# Altium PCB 定位手表.PcbDoc
Units mil, origin at the board's own origin, x right, y up, seen from the top; angles counter-clockwise.
Board outline 1220.47 x 1496.06 mil, 4 copper layers (Top Layer, GND, Signal, Bottom Layer), stack 23.756 mil thick; 50 components, 54 nets, 278 pads, 169 vias.
Unrouted connection lines stored in the file: 46.
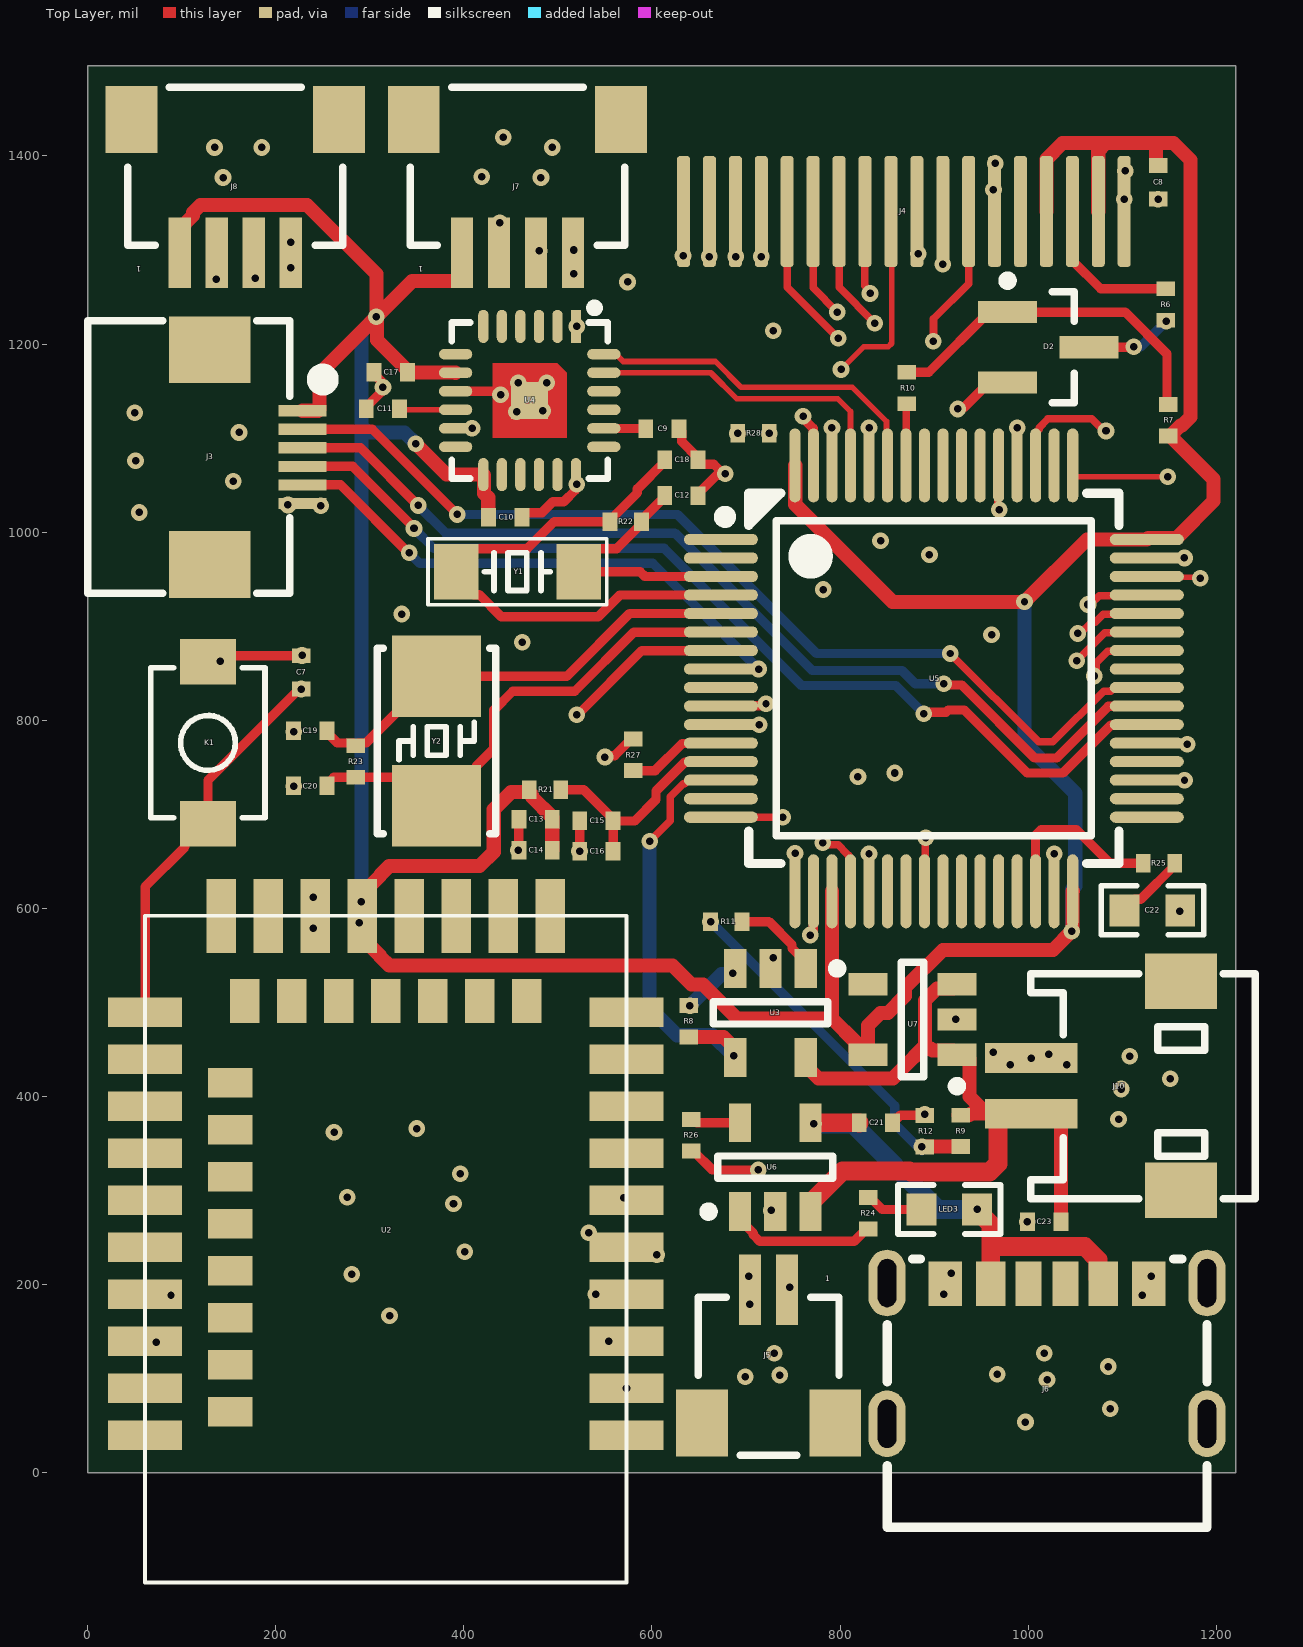
[diagram p0: Top Layer view]
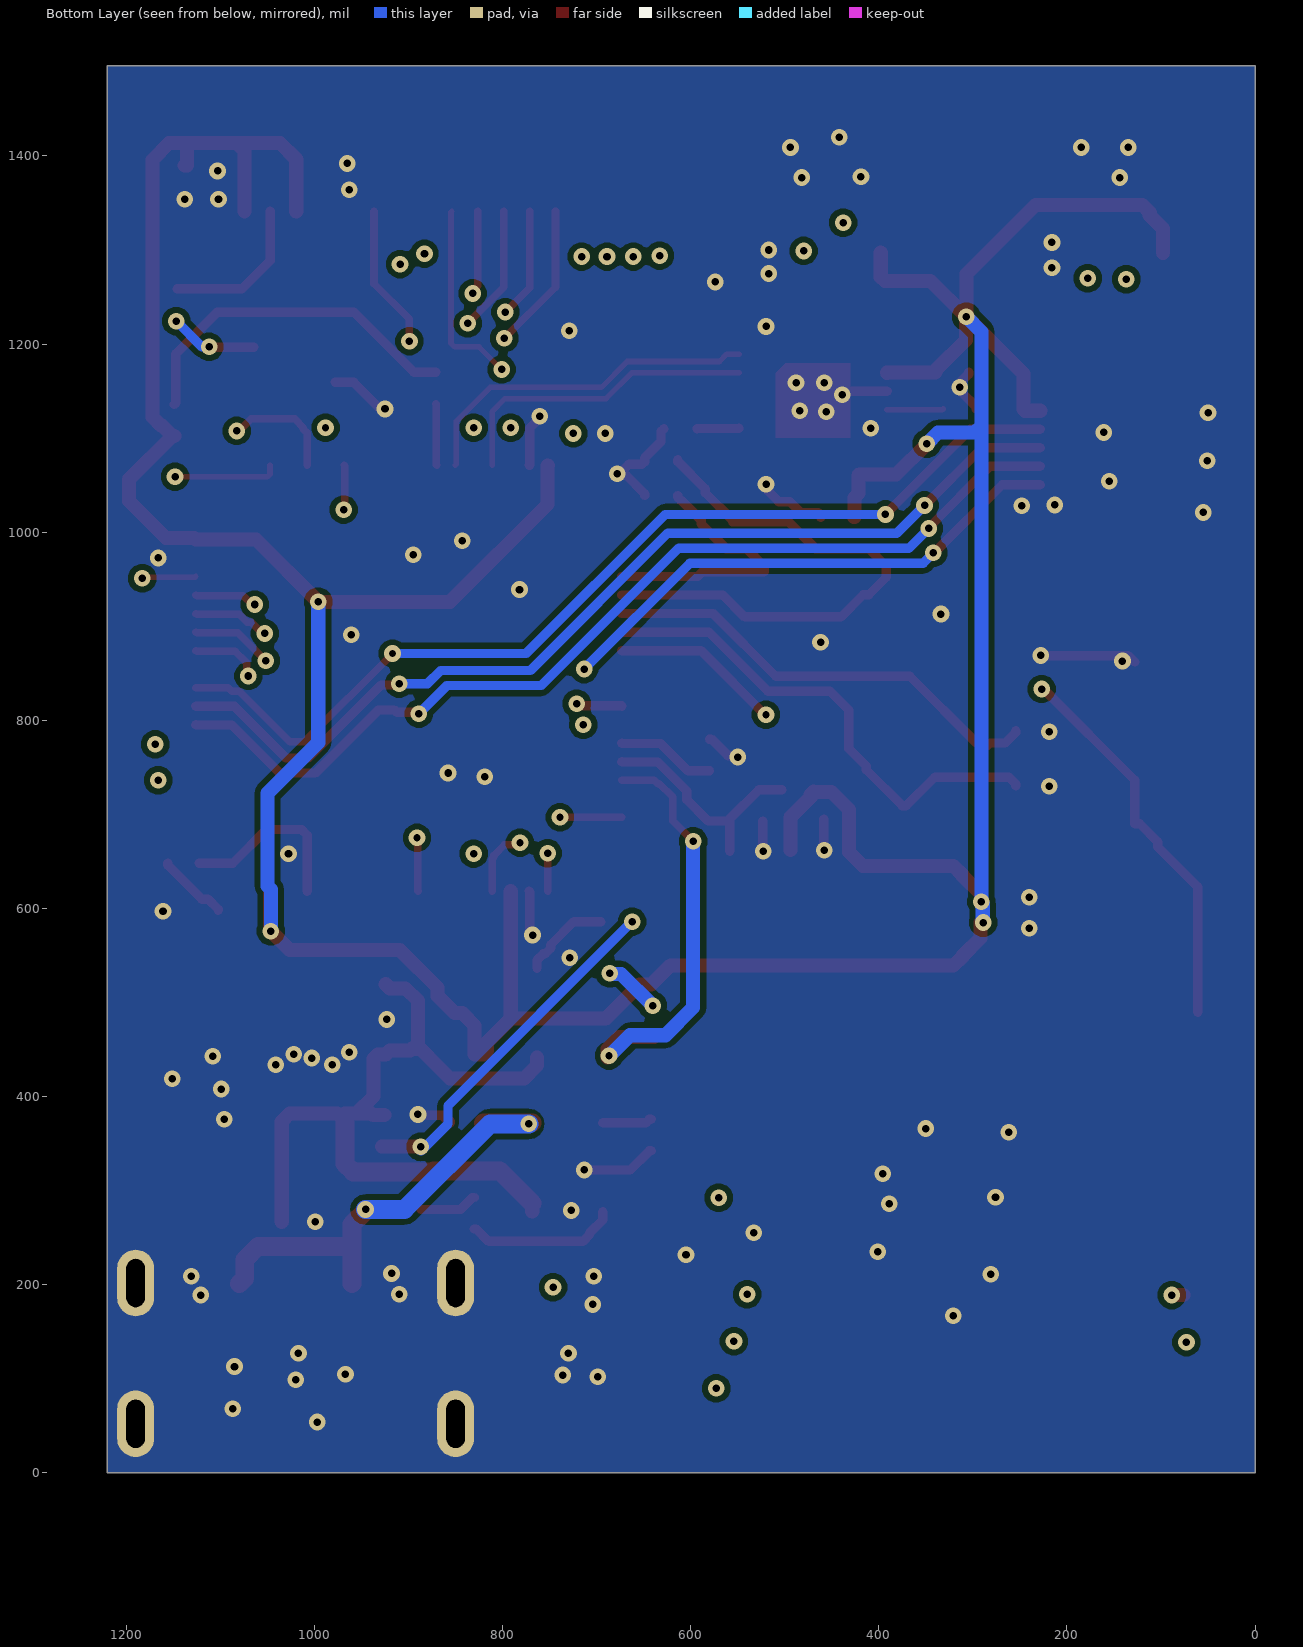
[diagram p1: Bottom Layer view, seen from below]
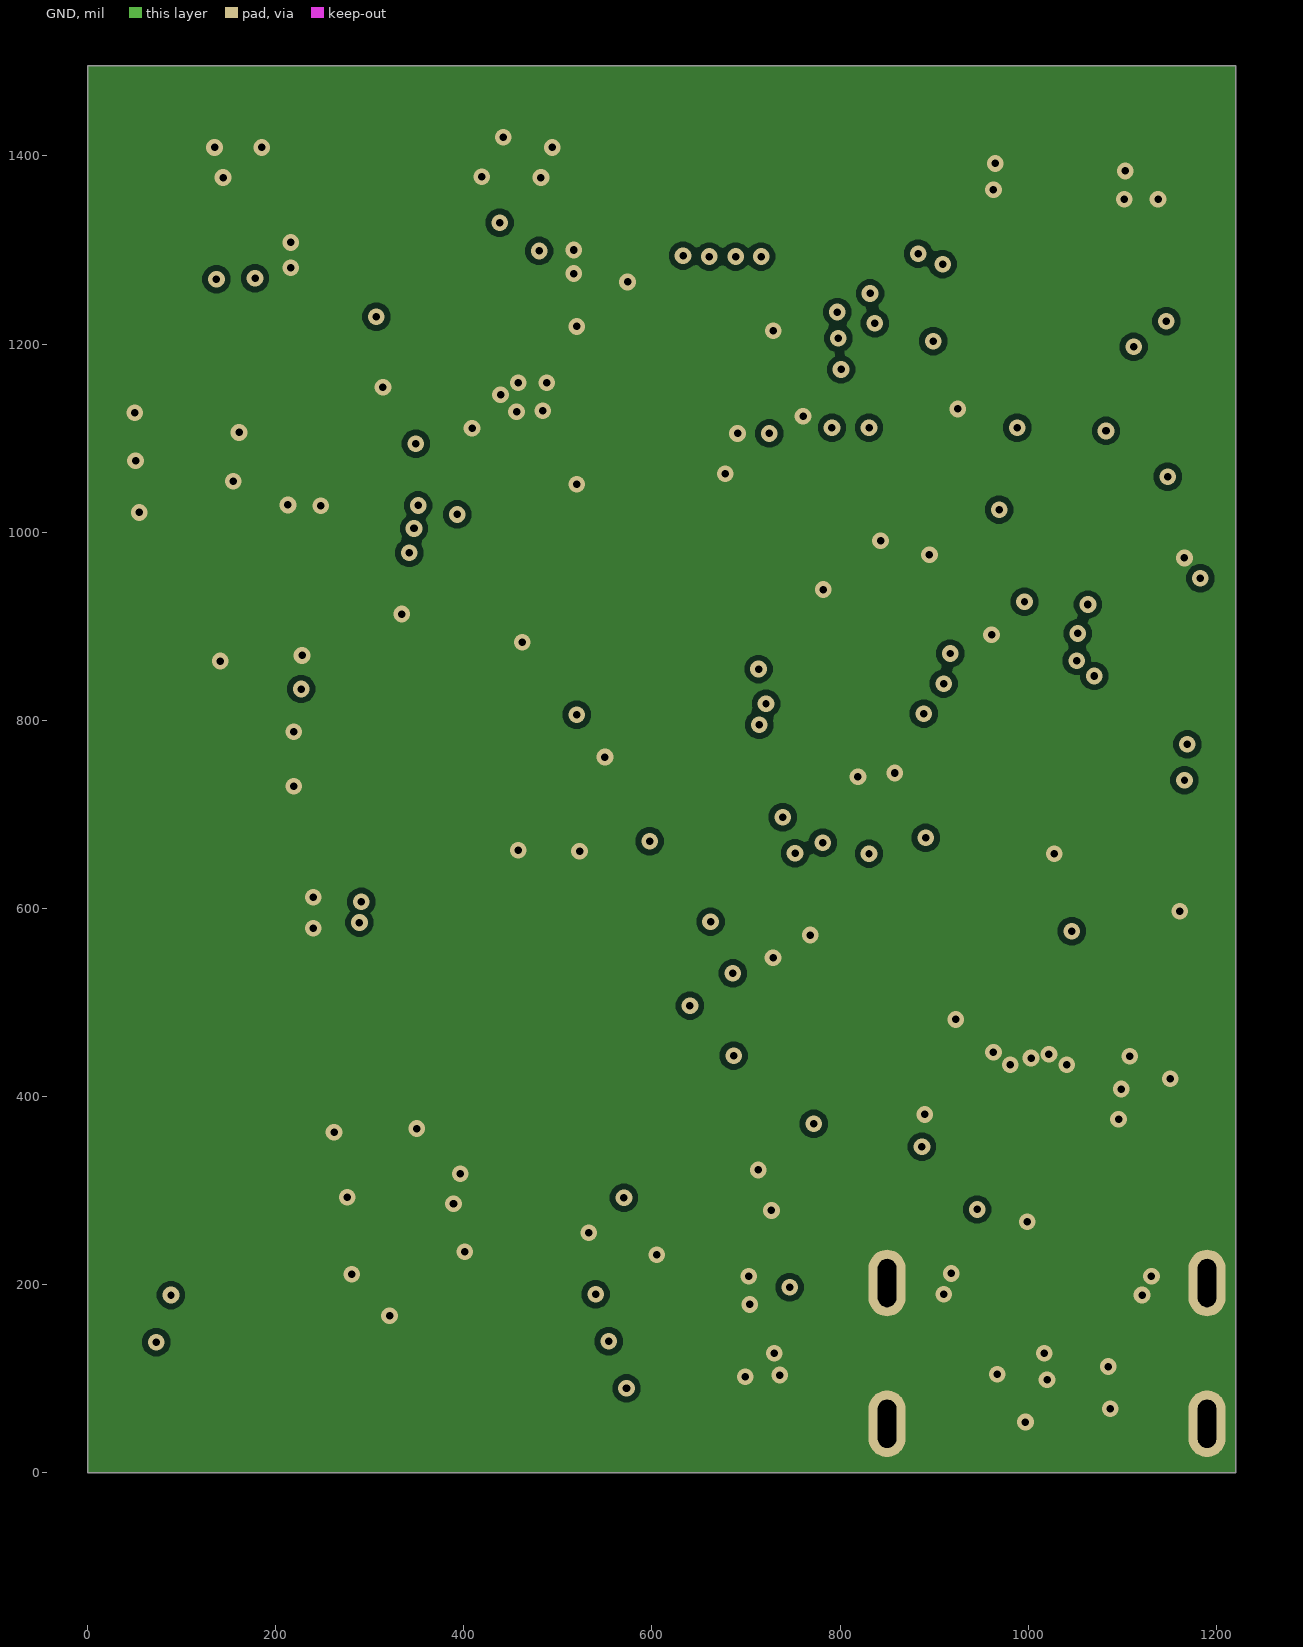
[diagram p2: GND]
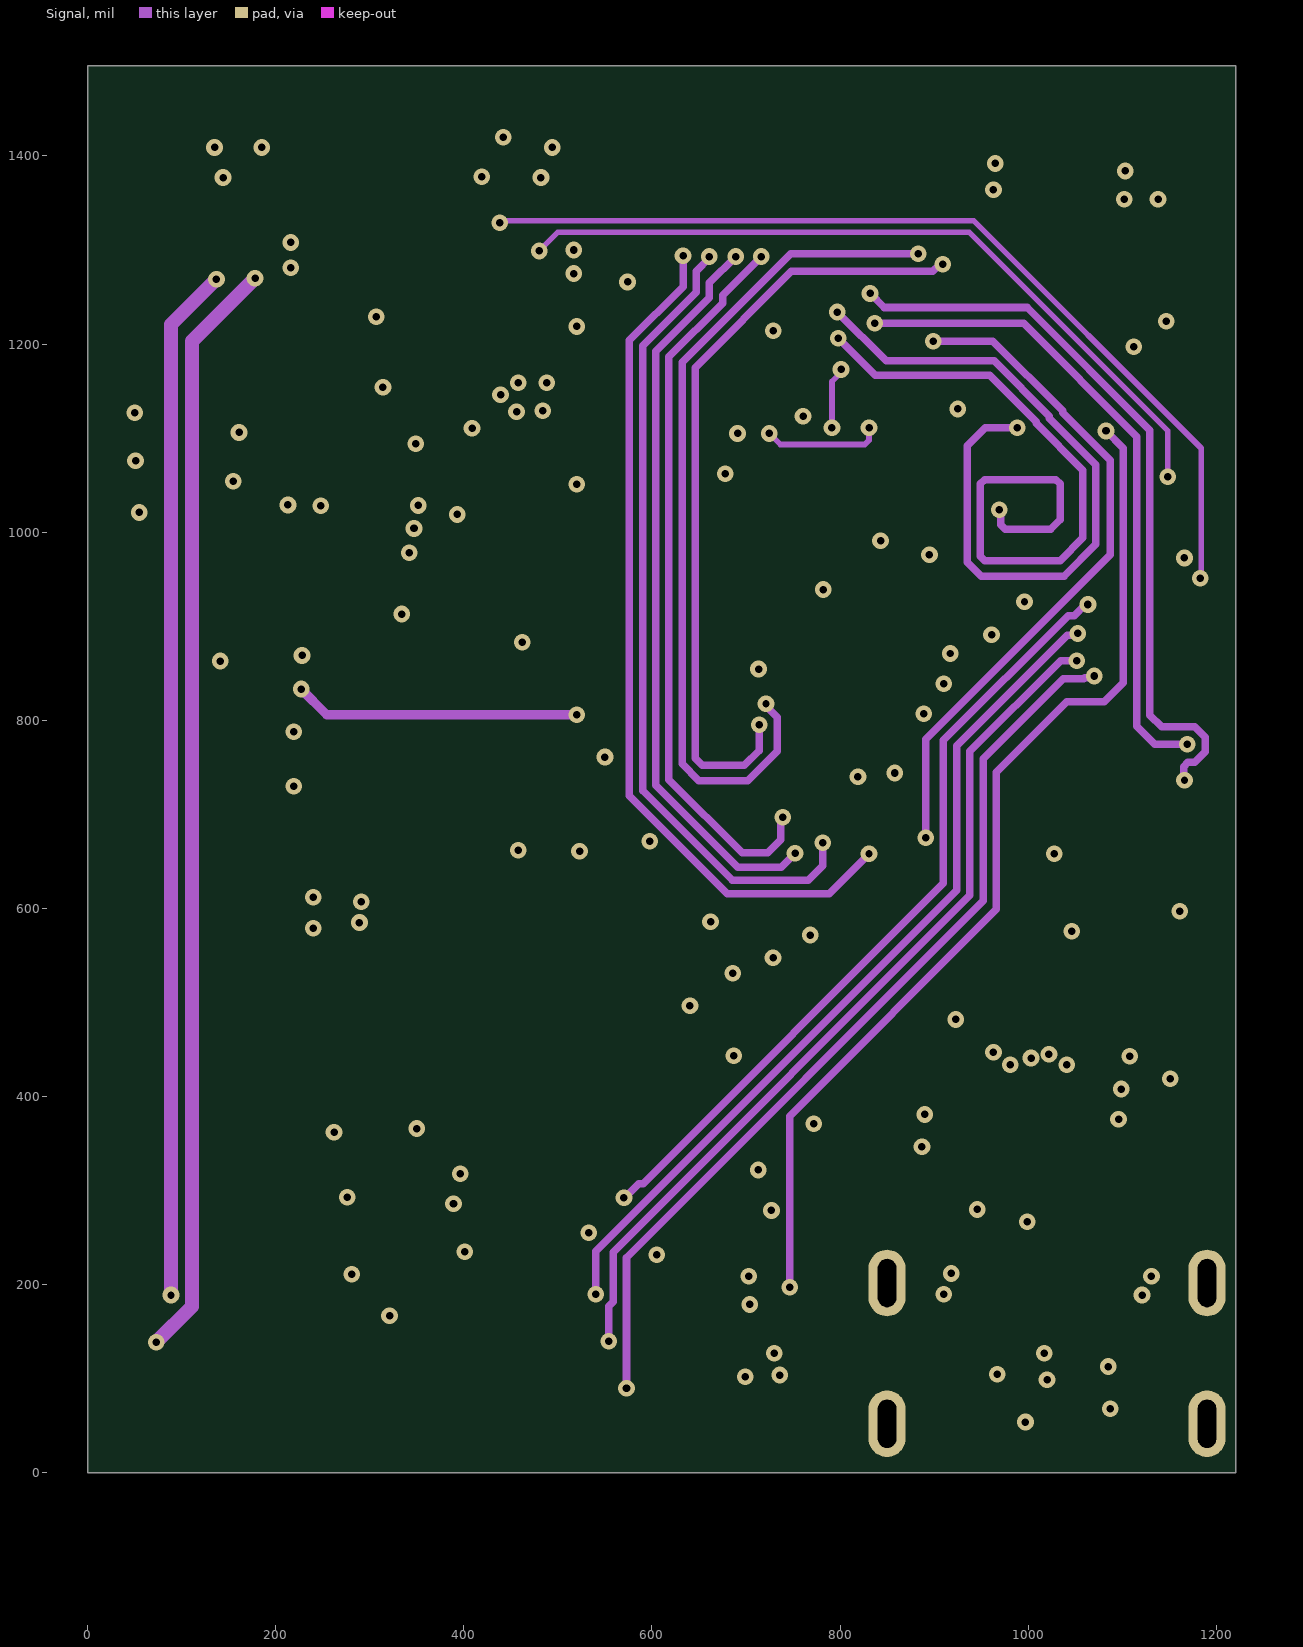
[diagram p3: Signal]
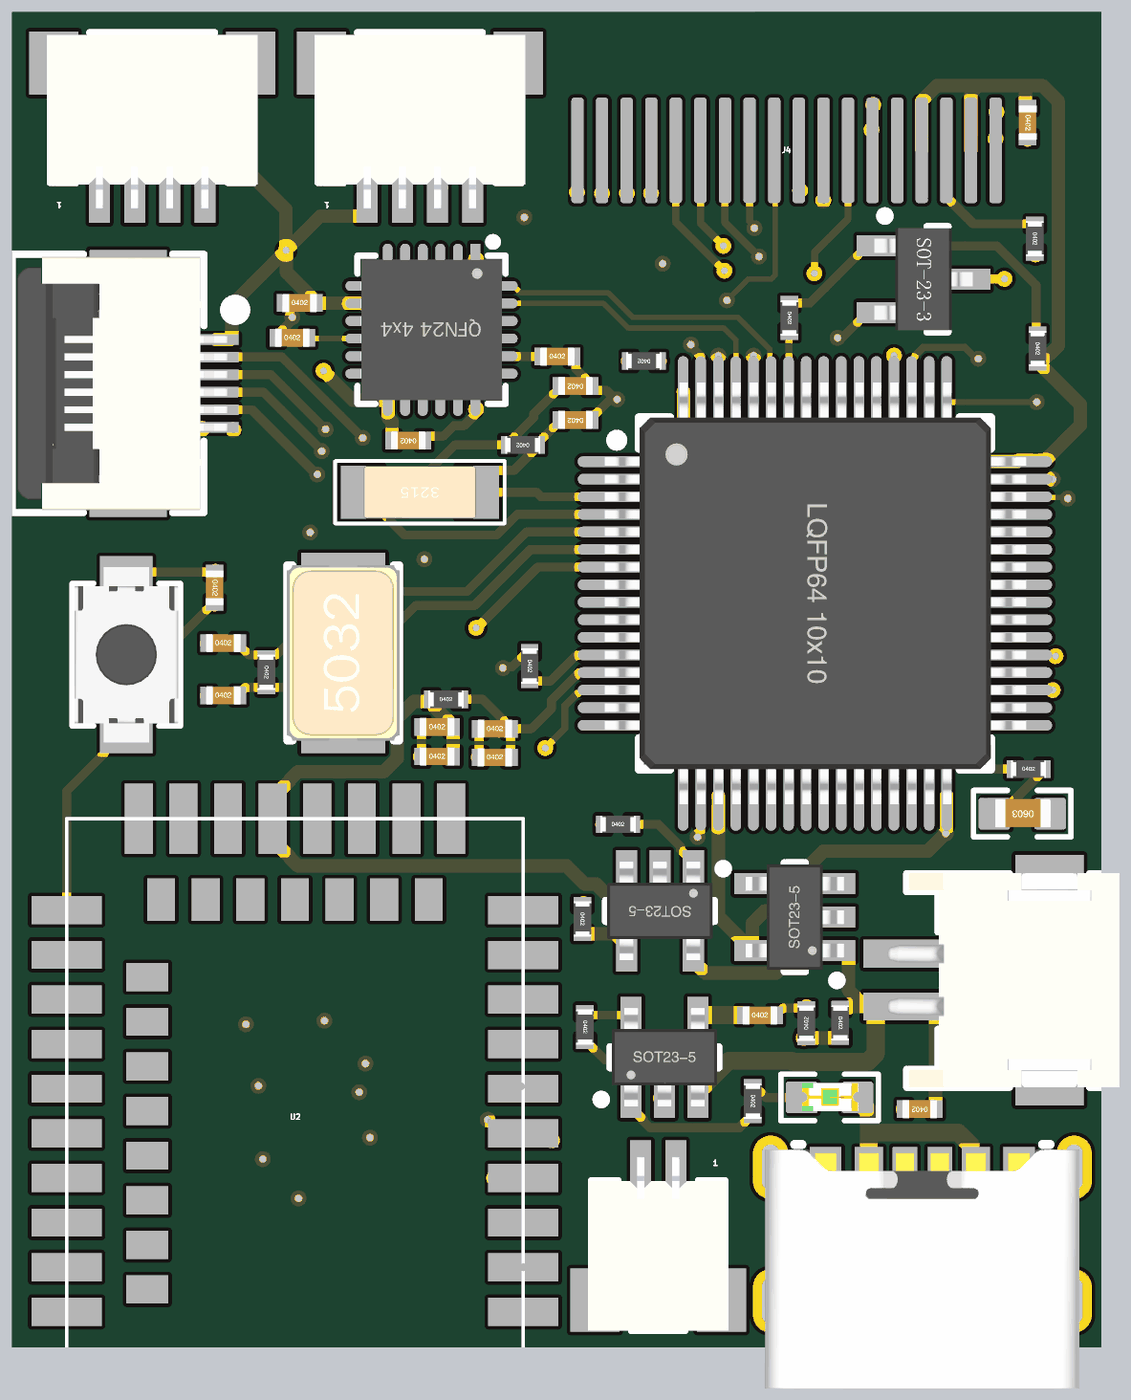
[diagram p4: 3D render of the assembled board from above, using the file's embedded part models]

## Layer stack, top to bottom
Top Solder: solder mask 0.4, Solder Resist, Dk 3.5
Top Layer: signal copper 1.4
Dielectric 2: prepreg 2.8, PP-006, Dk 4.1
GND: signal copper 1.378
Dielectric 1: dielectric 12.6, FR-4, Dk 4.8
Signal: signal copper 1.378
Dielectric 3: prepreg 2.8, PP-006, Dk 4.1
Bottom Layer: signal copper 1.4
Bottom Solder: solder mask 0.4, Solder Resist, Dk 3.5

## Board outline
-0.01,0 1220.46,0 1220.46,1496.06 -0.01,1496.06 0,1495.95

## Design rules (kind name [scope] priority, off if disabled: settings)
Clearance [All] p1: gap=6 ignorepadtopadclearanceinfootprint=FALSE
MinimumSolderMaskSliver [All] p1: minsoldermaskwidth=4
PlaneConnect [All] p1: planeconnectstyle=Direct reliefexpansion=20 reliefentries=4 reliefconductorwidth=10 reliefairgap=10
PolygonConnect [All] p1: connectstyle=Direct reliefconductorwidth=10 reliefentries=4 polygonreliefangle="90 Angle" airgapwidth=10
RoutingVias [All] p1: holewidth=7.87 width=17.72 viastyle="Through Hole" minholewidth=7.87 minwidth=17.72 maxholewidth=39.37 maxwidth=39.37
SolderMaskExpansion [All] p1: expansion=4 istentingtop=FALSE
Width [All] p1: maxlimit=50 minlimit=6 preferedwidth=10
28 further rules are at their usual default settings.

## Components (designator, comment, footprint, x,y, rotation, side; value= is the part's Value field where it differs from the comment)
C7 "0.1uF" 0402-CAP 227,851 r270 top
C8 "0.1uF" 0402-CAP 1138,1372 r270 top
C9 "2.2nF" 0402-CAP 611,1110 r0 top
C10 "0.1uF" 0402-CAP 444,1016 r180 top
C11 "0.1uF" 0402-CAP 314,1131 r0 top
C12 "12.5pF" 0402-CAP 631.28,1039 r180 top
C13 "0.1uF" 0402-CAP 476.29,695 r0 top
C14 "0.1uF" 0402-CAP 476.29,662 r0 top
C15 "0.1uF" 0402-CAP 541,693 r0 top
C16 "0.1uF" 0402-CAP 541,661 r0 top
C17 "0.1uF" 0402-CAP 322.29,1170 r0 top
C18 "12.5pF" 0402-CAP 631.28,1077 r180 top
C19 "20pF" 0402-CAP 236.72,789 r0 top
C20 "20pF" 0402-CAP 236.72,730.39 r0 top
C21 "1uF" 0402-CAP 838,372 r0 top
C22 "4.7uF" 0603-CAP 1132,598 r180 top
C23 "1uF" 0402-CAP 1017,267 r180 top
D2 "三极管" SOT23-3M 1021.31,1196.6 r0 top
J3 "FPC-6P" FPC0.5-WT-6P 130,1079.89 r270 top
J4 "LCD" LCD 867.78,1340.97 r0 top
J5 "SH1.0*2" SH1.0-WT-2P 724,123.89 r0 top
J6 "Type-c接口" type-c 1020,127 r0 top
J7 "SH1.0*4" SH1.0-WT-4P 457,1367.89 r180 top
J8 "SH1.0*4" SH1.0-WT-4P 157,1367.89 r180 top
J10 "ZH1.5*2" ZH1.5-WS-2P 1162.45,411.47 r90 top
K1 "微动开关" 轻触开关 128,776.02 r90 top
LED3 "发光二极管" 0603-LED 916,280 r180 top
R6 "10R" 0402-RES 1146,1242 r270 top
R7 "10K" 0402-RES 1149,1119 r270 top
R8 "10k" 0402-RES 639,480 r270 top
R9 "50K" 0402-RES 928.02,363.52 r270 top
R10 "1K" 0402-RES 871,1153.27 r270 top
R11 "0Ω" 0402-RES 679,586 r0 top
R12 "50K" 0402-RES 890,363.27 r90 top
R21 "47R" 0402-RES 486.27,726 r0 top
R22 "1M" 0402-RES 572.27,1011 r180 top
R23 "1M" 0402-RES 285,756.27 r270 top
R24 "10K" 0402-RES 830,276 r270 top
R25 "0R" 0402-RES 1139,648 r0 top
R26 "1.65K" 0402-RES 642,359 r270 top
R27 "0R" 0402-RES 580,763.27 r270 top
R28 "1K" 0402-RES 708,1105 r180 top
U2 "NRF52833" nrf52833 317,316 r0 top
U3 "LMV321" SOT23-5 726,489 r270 top
U4 "MPU6050" MPU6050 470,1140 r180 top
U5 "STM32F412RET6" STM32F412RET6 899.63,844.64 r270 top
U6 "LTH7-4054" SOT23-5 731,325 r90 top
U7 "RT9013" SOT23-5 877,482 r180 top
Y1 "32.768K" 晶振32.768K 457,958 r180 top
Y2 "晶振8M" 晶振8M 371.06,778 r90 top

## Footprints (in the part's own frame and the unit in brackets; to place one, negate y for a bottom-side part, rotate by r counter-clockwise, add the part's x,y. Pads: shape width x height; smd on the part's side, far side on the other; paste and mask are expansions set on the pad)
0402-CAP [mm] "贴片MLCC电容-无丝印             联系卖家 免费查找封装"
  rect 0.4x0.5 smd: 1(-0.45,0) 2(0.45,0)
  body extent -0.5,-0.26 0.5,0.26, height 0.54
0402-RES [mm] "1/16W贴片电阻-无丝印"
  rect 0.4x0.5 smd: 1(-0.425,0) 2(0.425,0)
  body extent -0.5,-0.25 0.5,0.25, height 0.3
0603-CAP [mil]
  rect 31.75x34.02 smd: 1(-29.65,0) 2(29.65,0)
  silkscreen extent -55,-26 55,26, body extent -32,-17 31,16, height 33
0603-LED [mil]
  rect 31.75x34.02 smd: 1(-29.66,0) 2(29.66,0)
  silkscreen extent -55,-26 55,26, body extent -32,-16 31,15, height 18
FPC0.5-WT-6P [mm] "长：7.2mm，宽：5.2mm，高：2mm               黄晶宝石"
  rect 1.8x2.2 smd: 0(-2.9,0) 0(2.9,0)
  rect 0.3x1.3 smd: 1(-1.25,2.497) 2(-0.75,2.497) 3(-0.25,2.497) 4(0.25,2.497) 5(0.75,2.497) 6(1.25,2.497)
  silkscreen extent -3.67,-3.3 3.67,3.23, body extent -3.6,-3.15 3.6,2.85, height 2
LCD [mm]
  rrect50% 0.35x3 smd: 1(-5.949,-0.001) 2(-5.249,-0.001) 3(-4.549,-0.001) 4(-3.849,-0.001) 5(-3.151,0.001) 6(-2.451,0.001) 7(-1.751,0.001) 8(-1.051,0.001) 9(-0.349,-0.001) 10(0.351,-0.001) 11(1.051,-0.001) 12(1.751,-0.001) 13(2.449,0.001) 14(3.149,0.001) 15(3.849,0.001) 16(4.549,0.001) 17(5.249,0.001) 18(5.949,0.001)
MPU6050 [mm] "24脚，长x宽x高：4x4x1mm，脚距：0.5mm"
  rect 0.28x0.9 smd: 1(-1.25,-2)
  oval 0.28x0.9 smd: 2(-0.75,-2) 3(-0.25,-2) 4(0.25,-2) 5(0.75,-2) 6(1.25,-2) 13(1.25,2) 14(0.75,2) 15(0.25,2) 16(-0.25,2) 17(-0.75,2) 18(-1.25,2)
  oval 0.9x0.28 smd: 7(2,-1.25) 8(2,-0.75) 9(2,-0.25) 10(2,0.25) 11(2,0.75) 12(2,1.25) 19(-2,1.25) 20(-2,0.75) 21(-2,0.25) 22(-2,-0.25) 23(-2,-0.75) 24(-2,-1.25)
  rect 1x1 smd: 25(0,0)
  Top Layer region: -1,1 1,1 1,-1 -0.75,-1 -1,-0.75
  silkscreen extent -2.11,-2.6 2.11,2.11, body extent -2.01,-2.01 2.01,2.01, height 0.95
nrf52833 [mm]
  rect 2x0.8 smd: 1(6.5,-7.015) 2(6.5,-5.745) 3(6.5,-4.475) 4(6.5,-3.205) 5(6.5,-1.935) 6(6.5,-0.665) 7(6.5,0.605) 8(6.5,1.875) 9(6.5,3.142) 10(6.5,4.415) 26(-6.5,4.415) 27(-6.5,3.145) 29(-6.5,1.875) 31(-6.5,0.605) 33(-6.5,-0.665) 35(-6.5,-1.935) 37(-6.5,-3.205) 39(-6.5,-4.475) 41(-6.5,-5.742) 43(-6.5,-7.015)
  rect 0.8x2 smd: 11(4.445,7.015) 13(3.175,7.015) 15(1.905,7.015) 17(0.635,7.015) 19(-0.635,7.015) 21(-1.905,7.015) 23(-3.175,7.015) 25(-4.445,7.015)
  rect 0.8x1.2 smd: 12(3.81,4.715) 14(2.54,4.715) 16(1.27,4.715) 18(0,4.715) 20(-1.27,4.715) 22(-2.54,4.715) 24(-3.81,4.715)
  rect 1.2x0.8 smd: 28(-4.2,2.51) 30(-4.2,1.24) 32(-4.2,-0.03) 34(-4.2,-1.3) 36(-4.2,-2.57) 38(-4.2,-3.84) 40(-4.2,-5.11) 42(-4.2,-6.375)
  silkscreen extent -6.5,-10.98 6.5,7.02
SH1.0-WT-2P [mm] "SH1.0连接器-卧贴-2P                联系卖家 免费查找封装"
  rect 1.4x1.8 smd: 0(-1.8,-1.8) 0(1.8,-1.8)
  rect 0.6x1.9 smd: 1(0.5,1.8) 2(-0.5,1.8)
  silkscreen extent -1.9,-2.67 1.9,1.6, body extent -2,-2.67 2,2.28, height 2.9
SH1.0-WT-4P [mm] "SH1.0连接器-卧贴-4P"
  rect 1.4x1.8 smd: 0(-2.8,-1.8) 0(2.8,-1.8)
  rect 0.6x1.9 smd: 1(1.5,1.8) 2(0.5,1.8) 3(-0.5,1.8) 4(-1.5,1.8)
  silkscreen extent -2.9,-2.67 2.9,1.6, body extent -3,-2.6 3,2.35, height 2.9
SOT23-3M [mm] "SOT23, 3-Leads, Body 2.9x1.3mm, Pitch 0.95mm, Lead Span 2.4mm, IPC Low Density"
  rect 1.6x0.6 smd: 1(-1.1,0.95) 2(-1.1,-0.95) 3(1.1,0)
  silkscreen extent -1.22,-1.5 0.7,1.92, body extent -1.4,-1.45 1.4,1.45, height 1.2
SOT23-5 [mm] "SOT23, 5-Leads, Body 2.9x1.6mm, Pitch 0.95mm, IPC Medium Density                联系卖家 免费查找封装"
  rect 1.05x0.6 smd: 1(-1.2,0.95) 2(-1.2,0) 3(-1.2,-0.95) 4(1.2,-0.95) 5(1.2,0.95)
  silkscreen extent -1.32,-1.55 0.3,1.93, body extent -1.4,-1.5 1.4,1.5, height 1.15
STM32F412RET6 [mm]
  oval 0.3x2 smd: 1(-3.75,-5.75) 2(-3.25,-5.75) 3(-2.75,-5.75) 4(-2.25,-5.75) 5(-1.75,-5.75) 6(-1.25,-5.75) 7(-0.75,-5.75) 8(-0.25,-5.75) 9(0.25,-5.75) 10(0.75,-5.75) 11(1.25,-5.75) 12(1.75,-5.75) 13(2.25,-5.75) 14(2.75,-5.75) 15(3.25,-5.75) 16(3.75,-5.75) 33(3.75,5.75) 34(3.25,5.75) 35(2.75,5.75) 36(2.25,5.75) 37(1.75,5.75) 38(1.25,5.75) 39(0.75,5.75) 40(0.25,5.75) 41(-0.25,5.75) 42(-0.75,5.75) 43(-1.25,5.75) 44(-1.75,5.75) 45(-2.25,5.75) 46(-2.75,5.75) 47(-3.25,5.75) 48(-3.75,5.75)
  oval 2x0.3 smd: 17(5.75,-3.75) 18(5.75,-3.25) 19(5.75,-2.75) 20(5.75,-2.25) 21(5.75,-1.75) 22(5.75,-1.25) 23(5.75,-0.75) 24(5.75,-0.25) 25(5.75,0.25) 26(5.75,0.75) 27(5.75,1.25) 28(5.75,1.75) 29(5.75,2.25) 30(5.75,2.75) 31(5.75,3.25) 32(5.75,3.75) 49(-5.75,3.75) 50(-5.75,3.25) 51(-5.75,2.75) 52(-5.75,2.25) 53(-5.75,1.75) 54(-5.75,1.25) 55(-5.75,0.75) 56(-5.75,0.25) 57(-5.75,-0.25) 58(-5.75,-0.75) 59(-5.75,-1.25) 60(-5.75,-1.75) 61(-5.75,-2.25) 62(-5.75,-2.75) 63(-5.75,-3.25) 64(-5.75,-3.75)
  silkscreen extent -5,-5.79 5,5, body extent -6,-5.99 6,6.02, height 1.45
type-c [mm]
  oval 1x1.8 hole 0.5 slot 1.3 at 90 deg: 1(-4.32,1.9) 2(-4.32,-1.9) 3(4.32,-1.9) 4(4.32,1.9)
  rect 0.7x1.2 smd: 5(-0.5,1.88) 8(0.5,1.88)
  rect 0.8x1.2 smd: 6(-1.52,1.88) 9(1.52,1.88)
  rect 0.9x1.2 smd: 7(-2.75,1.88) 10(2.75,1.88)
  silkscreen extent -4.32,-4.69 4.32,2.55, body extent -4.47,-4.4 4.47,2.4, height 3.22
ZH1.5-WS-2P [mm] "长：6.1mm，宽：2.5mm，高：3.7mm淘宝ID:黄晶宝石"
  rect 1.5x1.95 smd: 0(-2.818,0) 0(2.818,0)
  rect 0.8x2.5 smd: 1(-0.75,4.05) 2(0.75,4.05)
  silkscreen extent -3.05,-2 3.03,4.06, body extent -3.05,-2 3.05,4.6, height 3.75
晶振8M [mm] "5mm*3.2mm*0.8mm(长*宽*高)"
  rect 2.2x2.4 smd: 1(-1.75,0) 2(1.75,0)
  silkscreen extent -2.5,-1.6 2.5,1.6, body extent -2.5,-1.6 2.5,1.6, height 0.86
晶振32.768K [mm] "3.2*1.5*0.6mm(长宽高)"
  rect 1.2x1.5 smd: 1(-1.65,0) 2(1.65,0)
  silkscreen extent -2.41,-0.89 2.41,0.89, body extent -1.6,-0.75 1.6,0.75, height 0.61
轻触开关 [mm]
  rect 1.23x1.5 smd: 1(-2.185,0) 2(2.185,0)
  silkscreen extent -2.03,-1.54 2.03,1.54, body extent -2.5,-1.48 2.5,1.47, height 2.01

## Part data
C7 C8 C9 C10 C11 C12 C17 C18 C19 C20 C21 C22 C23: library part 电容, "无极性贴片电容"
C13 C14 C15 C16: library part cap
J6: "接口"
R6 R7 R8 R9 R10 R11 R12 R22 R23 R24 R25 R26 R27 R28: library part 电阻, "电阻"
R21: library part RES

## Via types
v1: diameter 17.72, hole 8, Top Layer to Bottom Layer, 137 vias
v2: diameter 17.72, hole 7.87, Top Layer to Bottom Layer, 32 vias

## Nets (pads, with @x,y where several pads share a name; then routed paths per layer and width w, separated by ;. In a path a pad name is that pad's centre, name@x,y a point inside that pad or via, vN(x,y) a via of type N, cw(c..) or ccw(c..) an arc to the next point about the centre after c; other vN are vias at no path point)
3.3V: C8.1 C10.2 C13.2 C14.2 C17.2 J3.1 J4.15 J4.17 J7.1 J8.1 R7.2 R21.1 U2.19 U4.8 U4.13 U5.19 U5.32 U5.48 U5.64 U7.5 | length 4645.2
  Top Layer w15: J8.1 97.94,1322.61 112,1336.67 112,1340.02 119.91,1347.93 233.45,1347.93 307,1274.38 v2(307,1229) ; J3.1 244.8,1129.1 246.4,1130.69 246.4,1168.4 v2(307,1229) ; U2.19@292,585 292,568.56 310.85,549.7 310.85,549.12 320.66,539.31 621.69,539.31 641.91,519.09 654.18,519.09 690.27,483 791.36,483 ; U2.19@292,615.8 310.85,634.66 310.85,635.25 320.66,645.05 416.65,645.05 431.81,660.2 431.81,705.05 450.42,723.66 469.16,723.66 469.54,724.03 472.41,721.15 472.41,718.56 494,696.97 C13.2 C14.2 ; v2(349,1094) 381.7,1061.26 U4.13 421.46,1060.59 421.46,1041.18 425.91,1036.73 425.91,1016.38 C10.2 ; U4.8 391.02,1169.76 340.24,1169.76 C17.2 340,1171.97 307.52,1204.45 307.52,1228.48 v2(307,1229) ; J7.1 397.94,1271.43 393.63,1267.12 345.12,1267.12 v2(307,1229) ; U5.64 752.27,1070.73 752.27,1029.51 855.78,926 v2(996,926) 1062.28,992.28 U5.48 1127.59,993.87 1157.87,993.87 1197,1033 1197,1056.24 R7.2@1150.97,1102.27 ; U5.19 791.36,483 ; J4.15 1019.32,1396.46 1036.42,1413.56 1082.56,1413.56 ; v1(1046.31,575.85) 1046.07,575.85 v1@1046,575.78 ; U5.32 1046.98,617.98 1046.98,577.26 1046,576.27 v1@1046,575.78 ; J4.17 1074.44,1405.44 1082.56,1413.56 ; C8.1 1136.03,1389.72 1135.66,1390.09 1135.66,1410.9 1133,1413.56 ; R7.2 R7.2@1150.97,1102.27 ; 791.36,483 816.59,457.77 816.59,448.91 820.9,444.6 U7.5 829.76,475.76 842.88,488.88 850.8,488.88 869.07,507.15 869.07,515.8 909.27,556 1026.22,556 v1@1046,575.78 ; 1082.56,1413.56 1133,1413.56 ; 1133,1413.56 1154.44,1413.56 1172.34,1395.66 1172.34,1122.27 1163.32,1113.25 1161.95,1113.25 R7.2@1150.97,1102.27
  Bottom Layer w15: v1(289,585) 289.52,585.52 289.52,604.78 291,606.26 v1(291,607) 291,1113 ; v2(307,1229) 291,1213 291,1113 ; v2(349,1094) 337,1106 298,1106 291,1113 ; v2(996,926) 996,776.45 1049.94,722.51 1049.94,623.91 1046.31,620.28 v1(1046.31,575.85)
5V: C21.1 J6.6 J6.9 LED3.1 U6.4 | length 496.6
  Top Layer w20: U6.4 820.04,372.24 C21.1 ; v1(945.66,280) 945.66,278.87 960.16,264.37 960.16,242 ; J6.6 960.16,242 ; J6.9 1074.09,206.76 1074.09,226.63 1060.09,240.64 961.52,240.64 960.16,242
  Bottom Layer w20: v1(772,371) 813.33,371 904.33,280 v1(945.66,280)
BAT_V: R8.2 U3.4 U5.14 | length 471.1
  Top Layer w8: v2(597.47,671.47) 619.29,693.29 619.29,718.68 633.2,732.6 634.98,732.6 638.76,736.37 U5.14
  Top Layer w15: R8.2 675.94,463.27 688.6,450.61 U3.4 v2(686.82,443.53)
  Bottom Layer w15: v2(597.47,671.47) 597.47,494.59 626.79,465.27 664.35,465.27 686.08,443.53 v2(686.82,443.53)
FSMC_D0: J4.8 U5.35 | length 878.4
  Top Layer w8: J4.8 826.41,1261.89 831.83,1256.46 v1(831.83,1253.83)
  Signal w8: v1(831.83,1253.83) 846.81,1238.86 998.94,1238.86 1129.35,1108.45 1129.35,805.59 1141.69,793.25 1177.02,793.25 1188.07,782.21 1188.07,766.58 1177.02,755.54 1169.78,755.54 1165.09,750.85 1165.09,737.35 v2(1166.07,736.38)
FSMC_D1: J4.7 U5.37 | length 832.8
  Top Layer w8: J4.7 798.85,1260.15 v1(837,1222)
  Signal w8: v1(837,1222) 995,1222 1115.35,1101.65 1115.35,793.65 1134.61,774.39 v2(1169.21,774.39)
FSMC_D2: J4.6 U5.52 | length 888.2
  Top Layer w8: J4.6 771.29,1259.71 v2(797,1234)
  Signal w8: v2(797,1234) 848.94,1182.06 963.7,1182.06 1022.48,1123.28 1022.48,1121.38 1072,1071.86 1072,987 1038,953 950,953 935,968 935,1092 954.08,1111.08 v2(988.21,1111.08)
FSMC_D3: J4.5 U5.53 | length 1006.1
  Top Layer w8: J4.5 743.73,1260.6 v2(798.17,1206.17) ; v2@967.8,1024.43 967.8,1070.28 U5.53
  Signal w8: v2(798.17,1206.17) 837.33,1167 958.96,1167 1008.48,1117.48 1008.48,1115.58 1058,1066.06 1058,994 1033.8,969.8 953.69,969.8 949,974.49 949,1051.31 953.69,1056 1029.31,1056 1034,1051.31 1034,1013.48 1023.66,1003.14 975.54,1003.14 970.86,1007.83 970.86,1022.14 v2(969,1024)
FSMC_D4: J4.4 U5.16 | length 844.3
  Top Layer w8: U5.16 v2(739,697)
  Signal w8: v1(716,1293) 675,1252 675,1243.6 618,1186.6 618,737 696,659 723,659 737.14,673.14 737.14,695.14 v2(739,697)
FSMC_D5: J4.3 U5.17 | length 827.9
  Top Layer w8: U5.17 752.05,618.33 752.05,658.61 v2(752.11,658.67)
  Signal w8: v1(689,1293) 661,1265 661,1249.4 604,1192.4 604,731.2 691.39,643.81 737.25,643.81 v2(752.11,658.67)
FSMC_D6: J4.2 U5.20 | length 931.4
  Top Layer w8: v2(781.52,670.01) 784.15,670.01 786.52,667.64 797.94,667.64 807.26,658.32 807.26,658.21 809.14,656.33 809.14,654.67 811.05,652.76 U5.20
  Signal w8: v1(661,1293) 661,1291.5 647,1277.5 647,1255.2 590,1198.2 590,725.4 685.59,629.81 766.01,629.81 781.52,645.31 v2(781.52,670.01)
FSMC_D7: J4.1 U5.21 | length 913.3
  Signal w8: v1(633,1294) 633,1261 576,1204 576,719.6 679.79,615.81 788.21,615.81 v2(830.73,658.34)
GND: C7.1 C8.2 C9.2 C10.1 C11.1 C12.1 C13.1 C14.1 C15.1 C16.1 C17.1 C18.1 C19.1 C20.1 C21.2 C22.1 C23.2 D2.2 J3.6 J4.13 J4.18 J5.2 J6.1 J6.2 J6.3 J6.4 J6.7 J6.10 J7.4 J8.4 J10.2 K1.2 R12.2 R26.2 R27.1 R28.2 U2.5 U2.21 U3.2 U4.1 U4.9 U4.11 U4.18 U4.25 U5.18 U5.31 U5.47 U5.63 U6.2 U7.2 | length 786.5
  Top Layer w10: K1.2 134.67,868.72 C7.1 ; C11.1 296.28,1132.97 312.52,1149.21 312.52,1152.52 v1(314,1154) 312.52,1155.48 312.52,1160.08 304.57,1168.03 C17.1 ; U4.9 433.07,1149.84 436.91,1146 v1(439,1146) ; C14.1 C13.1 ; C10.1 461.72,1017.97 464.59,1020.84 483.11,1020.84 494.81,1032.54 506.37,1032.54 518.42,1044.6 518.42,1049.52 v1(519.9,1051) ; C16.1 C15.1 ; v1(550,761) 551.48,762.48 560.51,762.48 578.03,780 R27.1 ; C9.2 631.59,1107.12 631.59,1096.38 649,1078.97 C18.1 649,1075.03 651.87,1072.16 665.75,1072.16 675.91,1062 v1(678,1062) 676.52,1060.52 668.56,1060.52 649,1040.97 C12.1 ; R26.2 643.97,342.27 664.24,322 v1(713,322) ; v1(760.62,1123.36) 760.62,1121.27 771.33,1110.57 771.33,1071.36 U5.63 ; v1(768.15,571.77) 768.15,573.86 771.33,577.04 771.33,617.92 U5.18 ; C21.2 855.71,373.97 858.59,376.84 860.56,376.84 863.72,380 889,380 v1(890,381) ; v1(925,1131) 926.48,1132.48 931.59,1132.48 958.31,1159.2 D2.2
  other v1: 997,54 1087,68 1020,99 699,102 736,104 967,105 1085,113 730,127 1017,127 321,167 704,179 1121,189 910,190 703,209 1131,209 281,211 918,212 605,232 401,235 532.87,255.13 999,267 727,279 389,286 276,293 396,318 262,362 350,366 1096,376 1099,408 1151,419 981,434 1041,434 1003,441 1108,443 1022,445 963,447 923,482 728.68,547.68 240,579 1161,597 240,612 1027.58,658.34 523,661 458,662 219,730 819,740 858,744 219,788 141,863 228,869 462,883 961,891 334,913 782,939 1166.07,972.6 895,976 843,991 55,1021 248,1028 213,1029 155,1054 51,1076 691,1105 161,1106 408.7,1110.47 50,1127 456,1128 484,1129 458,1159 488,1159 729,1214 519.9,1218.74 574,1266 517,1275 216,1281 517,1300 216,1308 1102,1354 1138,1354 963,1364 144,1377 482,1377 419,1378 1103,1384 965,1392 135,1409 185,1409 494,1409 442,1420
KEY: J3.5 U5.8 | length 566.1
  Top Layer w10: J3.5 268.9,1050.36 341.26,978 v1(342,978)
  Bottom Layer w10: v1(342,978) 353,967 600.81,967 v2(713.32,854.49)
LCD_CS: J4.12 U5.24 | length 935
  Top Layer w8: U5.24 890.39,618.87 890.39,674.39 v2(891,675) ; v2(899,1203.14) 899.27,1203.41 899.27,1226.86 936.7,1264.29 J4.12
  Signal w8: v2(891,675) 891,780 1087,976 1087,1076.66 1036.48,1127.18 1036.48,1129.08 962.42,1203.14 v2(899,1203.14)
LCD_PWM: R10.2 U5.58 | length 65.9
  Top Layer w8: U5.58 870.55,1071.47 870.55,1136.08 R10.2
LCD_RD: J4.11 U5.11 | length 829
  Signal w8: v2(714.11,795.14) 714.11,767.91 698.2,752 653.6,752 646,759.6 646,1175 748.28,1277.28 898.65,1277.28 906.37,1285 v1(909,1285)
LCD_RST: J4.9 U5.62 | length 271.7
  Top Layer w6: v1(801,1173) 825,1197 851,1197 854.86,1200.86 854.86,1340.1 J4.9
  Signal w6: v1(791.36,1111.08) 791.36,1160.19 801,1169.83 v1(801,1173)
LCD_WR: J4.10 U5.10 | length 951.7
  Top Layer w10: U5.10 673.6,815.46 716.85,815.46 719.15,817.76 v2(721.24,817.76)
  Signal w8: v2(721.24,817.76) 721.24,815.13 732.97,803.4 732.97,766.97 702,736 649.8,736 632,753.8 632,1180.8 747.34,1296.14 v1(883,1296.14)
MPU_SCL: U4.23 U5.61 | length 336.6
  Top Layer w6: U4.23 662.47,1169.53 690,1142 797.31,1142 811.05,1128.27 U5.61
MPU_SDA: U4.24 U5.59 | length 377.4
  Top Layer w6: U4.24 561.78,1189.21 569.47,1181.53 667.44,1181.53 694.97,1154 813.07,1154 849.3,1117.77 849.3,1072.13 U5.59
N_SWCLK: J8.3 U2.39 | length 1174.5
  Signal w15: v2(73,139) 111,177 111,1203 v1(178,1270)
N_SWDIO: J8.2 U2.37 | length 1112.7
  Top Layer w15: U2.37@76,189 v2(88.64,189)
  Signal w15: v2(88.64,189) 88.64,1220.64 v1(137,1269)
NetC9_1: C9.1 U4.20 | length 44.7
  Top Layer w10: U4.20 548.94,1110.28 593.01,1110.28 C9.1
NetC11_2: C11.2 U4.10 | length 59.9
  Top Layer w6: C11.2 332.55,1130.16 U4.10
NetC12_2: C12.2 R22.1 U5.3 Y1.1 | length 285.5
  Top Layer w10: C12.2 613.57,1037.03 610.7,1034.16 610.19,1034.16 589,1012.97 R22.1 589,1009.03 562.5,982.53 540.58,982.53 521.96,963.91 Y1.1 587.4,958 592.49,952.91 U5.3
NetC18_2: C18.2 R22.2 U5.4 Y1.2 | length 593.1
  Top Layer w10: C18.2 613.57,1075.03 584.55,1046.02 584.55,1041.99 555.54,1012.97 R22.2 495.9,1011 467.43,982.53 410.66,982.53 392.04,963.91 Y1.2 392.04,952.09 410.66,933.47 416.57,933.47 440.04,910 542.67,910 565.89,933.22 U5.4
NetC19_2: C19.2 R23.1 U5.5 Y2.2 | length 484.8
  Top Layer w10: C19.2 254.43,787.03 265.58,775.87 282.13,775.87 R23.1 287.87,775.87 296.1,775.87 367.13,846.9 Y2.2 509.6,846.9 576.25,913.54 U5.5
NetC20_2: C20.2 R23.2 U5.6 Y2.1 | length 539.2
  Top Layer w10: C20.2 254.43,732.35 261.61,739.54 R23.2 340.63,739.54 Y2.1 375,709.1 413.31,747.41 413.31,751.35 432,770.04 432,811 451.9,830.9 517.9,830.9 580.85,893.85 U5.6
NetC22_2: C22.2 R25.2 | length 75.9
  Top Layer w10: C22.2 1102.35,599.13 1113.22,610.01 1119.71,610.01 1155.73,646.03 R25.2
NetD2_1: D2.1 R7.1 R10.1 | length 375.9
  Top Layer w10: R10.1 894.31,1170 958.31,1234 D2.1 1103.08,1234 1147.5,1189.58 1147.5,1137.23 R7.1
NetD2_3: D2.3 R6.2 | length 95
  Top Layer w10: D2.3 1064.81,1196.8 1111.8,1196.8 v2(1112,1197) ; R6.2 v2(1146.88,1224.39)
  Bottom Layer w10: v2(1112,1197) 1119.49,1197 v2(1146.88,1224.39)
NetJ4_16: J4.16 R6.1 | length 163.8
  Top Layer w10: J4.16 1046.88,1288.83 1076.98,1258.73 R6.1
NetLED3_2: LED3.2 R24.1 | length 61.6
  Top Layer w10: R24.1 831.97,292.73 844.7,280 LED3.2
NetR8_1: R8.1 U3.3 | length 59.8
  Bottom Layer w15: v1(640.36,496.73) 674.11,530.48 685.48,530.48 v2(686,531)
NetR9_2: R9.2 R11.1 R12.1 | length 380.4
  Top Layer w10: v2(887,346.79) 887.25,346.54 R12.1
  Top Layer w15: R12.1@887.66,346.79 R9.2
  Bottom Layer w10: v1(662.27,586) 858,390.27 858,371 886.75,342.25 v2@887,342.25
NetR11_2: R11.2 U3.1 | length 95.6
  Top Layer w10: R11.2 724.28,586 748.81,561.47 748.81,557.77 754.67,551.91 756.59,551.91 763.4,545.1 U3.1
NetR24_2: R24.2 U6.1 | length 161.2
  Top Layer w10: U6.1 693.6,268.9 707.56,254.93 707.56,253.16 714.63,246.09 814.85,246.09 828.03,259.27 R24.2
NetR25_1: R25.1 U5.30 | length 191.6
  Top Layer w10: U5.30 1007.72,618.44 1007.72,677.86 1013.75,683.9 1051.05,683.9 1086.94,648 R25.1
NetR26_1: R26.1 U6.5 | length 53
  Top Layer w10: R26.1 643.97,375.73 647.46,372.24 U6.5
NetR27_2: R27.2 U5.12 | length 105.3
  Top Layer w10: R27.2 603.3,746.54 632.16,775.39 672.91,775.39 U5.12
NetR28_1: R28.1 U5.60 | length 126.1
  Signal w6: v2(724.73,1105) 736.51,1093.23 826.23,1093.23 830.73,1097.73 v1(830.73,1111.08)
PC7: J3.4 U5.38 | length 1057.7
  Top Layer w10: J3.4 281.7,1070.04 347,1004.75 v1(347,1004) ; v2(889,807.14) 890.48,808.62 912.56,808.62 914.95,811 932,811 999,744 1036.89,744 1087.97,795.08 1125.65,795.08 U5.38
  Bottom Layer w10: v1(347,1004) 368,983 612.89,983 758.89,837 859.14,837 v2(889,807.14)
PC8: J3.3 U5.39 | length 1057.1
  Top Layer w10: J3.3 290.1,1089.73 v1(351.41,1028.41) ; v2(910,839) 911.48,837.52 929.26,837.52 1006.79,760 1030.26,760 1085.02,814.76 1125.65,814.76 U5.39
  Bottom Layer w10: v1(351.41,1028.41) 380.83,999 624.37,999 770.37,853 865.77,853 879.77,839 v2(910,839)
PC9: J3.2 U5.40 | length 1059.4
  Top Layer w8: v2(917,871) 1011,777 1026.05,777 1080.06,831.02 1087.72,831.02 1091.5,834.8 U5.40
  Top Layer w10: J3.2 302.59,1109.41 393,1019 v1(393,1018.86)
  Bottom Layer w10: v1(393,1018.86) 627.14,1018.86 775,871 v2(917,871)
RST: C7.2 K1.1 U2.26 U5.7 | length 902.2
  Top Layer w10: U2.26 61.09,623.09 103.47,665.47 103.47,670.79 122.69,690 K1.1 128,736.26 225.03,833.29 v1(227,833.29) ; v2(520,806) 521,806 589.17,874.17 U5.7
  Signal w10: v1(227,833.29) 254.28,806 v2(520,806)
SWCLK: J7.3 U5.49 | length 924.3
  Top Layer w6: U5.49 1047.27,1061.68 1049.95,1059 v1(1148.21,1059)
  Signal w6: v1(480,1299) 500,1319 937.18,1319 1148.21,1107.97 v1(1148.21,1059)
SWDIO: J7.2 U5.46 | length 1043.3
  Top Layer w6: U5.46 1126.95,951.95 1182.05,951.95 v1(1183,951)
  Signal w6: v1(438,1329) 440,1331 942.15,1331 1183.93,1089.23 1183.93,951.93 v1(1183,951)
UART3_TX: J5.1 U5.51 | length 1213.7
  Top Layer w8: J5.1 v2(746.34,197.4) ; U5.51 1007.9,1105.51 1011.67,1109.28 1011.67,1111.07 1020.99,1120.38 1067.32,1120.38 1080.04,1107.67 v1(1082.67,1107.67)
  Signal w8: v2(746.34,197.4) 746.34,379.34 966,599 966,745 1041,820 1081,820 1101,840 1101,1089.33 v1(1082.67,1107.67)
UART_CTS: U2.4 U5.44 | length 1002.4
  Top Layer w8: v1(1052.67,892.33) 1055.29,892.33 1067.23,904.27 1071.27,904.27 1079.81,912.81 1125.27,912.81 U5.44
  Signal w8: v1(540.05,189.82) 540.05,235.64 923.86,619.46 923.86,772.86 1041.48,890.48 1050.81,890.48 v1(1052.67,892.33)
UART_RTS: U2.6 U5.45 | length 910.1
  Top Layer w8: v1(1063.46,923.13) 1066.09,923.13 1075.45,932.49 1125.27,932.49 U5.45
  Signal w8: v1(570.23,292.5) 571.03,292.5 585.93,307.4 590.48,307.4 909.86,626.77 909.86,778.66 1042.39,911.19 1048.89,911.19 1060.83,923.13 v1(1063.46,923.13)
UART_RX: U2.3 U5.43 | length 1026.8
  Top Layer w8: v1(1051.6,863.36) 1081.36,893.12 1125.27,893.12 U5.43
  Signal w8: v1(554.05,139.82) 554.05,177.15 558.91,182.01 558.91,234.7 938,613.8 938,767 1034.36,863.36 v1(1051.6,863.36)
UART_TX: U2.2 U5.42 | length 1055
  Top Layer w8: v1(1070.26,847.13) 1072.12,848.99 1072.12,861.12 1084.44,873.44 1125.27,873.44 U5.42
  Signal w8: v1(572.91,89.82) 572.91,228.91 952,608 952,759 1037.17,844.17 1059.07,844.17 1060.17,845.27 1068.4,845.27 v1(1070.26,847.13)
VBAT: C23.1 J10.1 R9.1 U3.5 U6.3 U7.1 U7.3 | length 853.2
  Top Layer w15: U3.5 763.4,432.9 777.01,419.29 856.02,419.29 868.55,431.82 868.55,432.07 887.37,450.89 896.37,450.89 898.35,448.91 919.93,448.91 U7.1 933.1,444.6 937.41,440.29 937.41,400.25 J10.1@955.72,381.94 ; U6.3 U6.3@768.4,286.61 ; 873.56,321 874.66,319.89 ; 890.07,457.18 890.07,502.07 903.09,515.09 919.93,515.09 U7.3 ; R9.1@925.67,380.63 926.05,380.25 937.49,380.25 939.18,381.94 J10.1@955.72,381.94 ; J10.1@967.68,373.7 971.8,377.82 967.68,381.94 J10.1@955.72,381.94 ; J10.1@975.93,381.94 J10.1 1026.47,381.94 1034.72,373.7 C23.1
  Top Layer w20: U6.3@768.4,286.61 802.79,321 873.56,321 ; 874.66,319.89 958.89,319.89 967.68,328.68 J10.1@967.68,373.7
VDDA: C15.2 C16.2 R21.2 U5.13 | length 248.6
  Top Layer w10: R21.2 527.68,726 558.71,694.97 C15.2 ; C16.2 C15.2 ; U5.13 672.91,755.71 635.1,755.71 604.29,724.9 604.29,715.7 581.59,693 C15.2
pads on no net: J3.0 J4.14 J5.0 J6.5 J6.8 J7.0 J8.0 J10.0 U2.1 U2.7 U2.8 U2.9 U2.10 U2.11 U2.12 U2.13 U2.14 U2.15 U2.16 U2.17 U2.18 U2.20 U2.22 U2.23 U2.24 U2.25 U2.27 U2.28 U2.29 U2.30 U2.31 U2.32 U2.33 U2.34 U2.35 U2.36 U2.38 U2.40 U2.41 U2.42 U2.43 U4.2 U4.3 U4.4 U4.5 U4.6 U4.7 U4.12 U4.14 U4.15 U4.16 U4.17 U4.19 U4.21 U4.22 U5.1 U5.2 U5.9 U5.15 U5.22 U5.23 U5.25 U5.26 U5.27 U5.28 U5.29 U5.33 U5.34 U5.36 U5.41 U5.50 U5.54 U5.55 U5.56 U5.57 U7.4

## Polygon pours and split planes (outlines as drawn)
GND on GND "GND_L02_P004" (solid, pour order 4): 0,1496 1220,1496 1220,0 0,0
GND on Bottom Layer "GND_L04_P003" (solid, pour order 3): 0,1496 1220,1496 1220,0 0,0

## Silkscreen, mask and mechanical layers (free items; w line width, h text height)
Mechanical 1:
  lines w10: 0,-0.11 0,1495.95 ; -0.01,0 1220.46,0 ; -0.01,1496.06 1220.46,1496.06 ; 1220.46,-0.11 1220.46,1495.95

## Text inside footprints (layer, text, board x,y; h text height)
J5: Top Overlay "1" at 784,203.89 h6
J7: Top Overlay "1" at 357,1282.89 h6 r180
J8: Top Overlay "1" at 57,1282.89 h6 r180